# KiCad board coils_12_35_10_2_layer.kicad_pcb (continued)
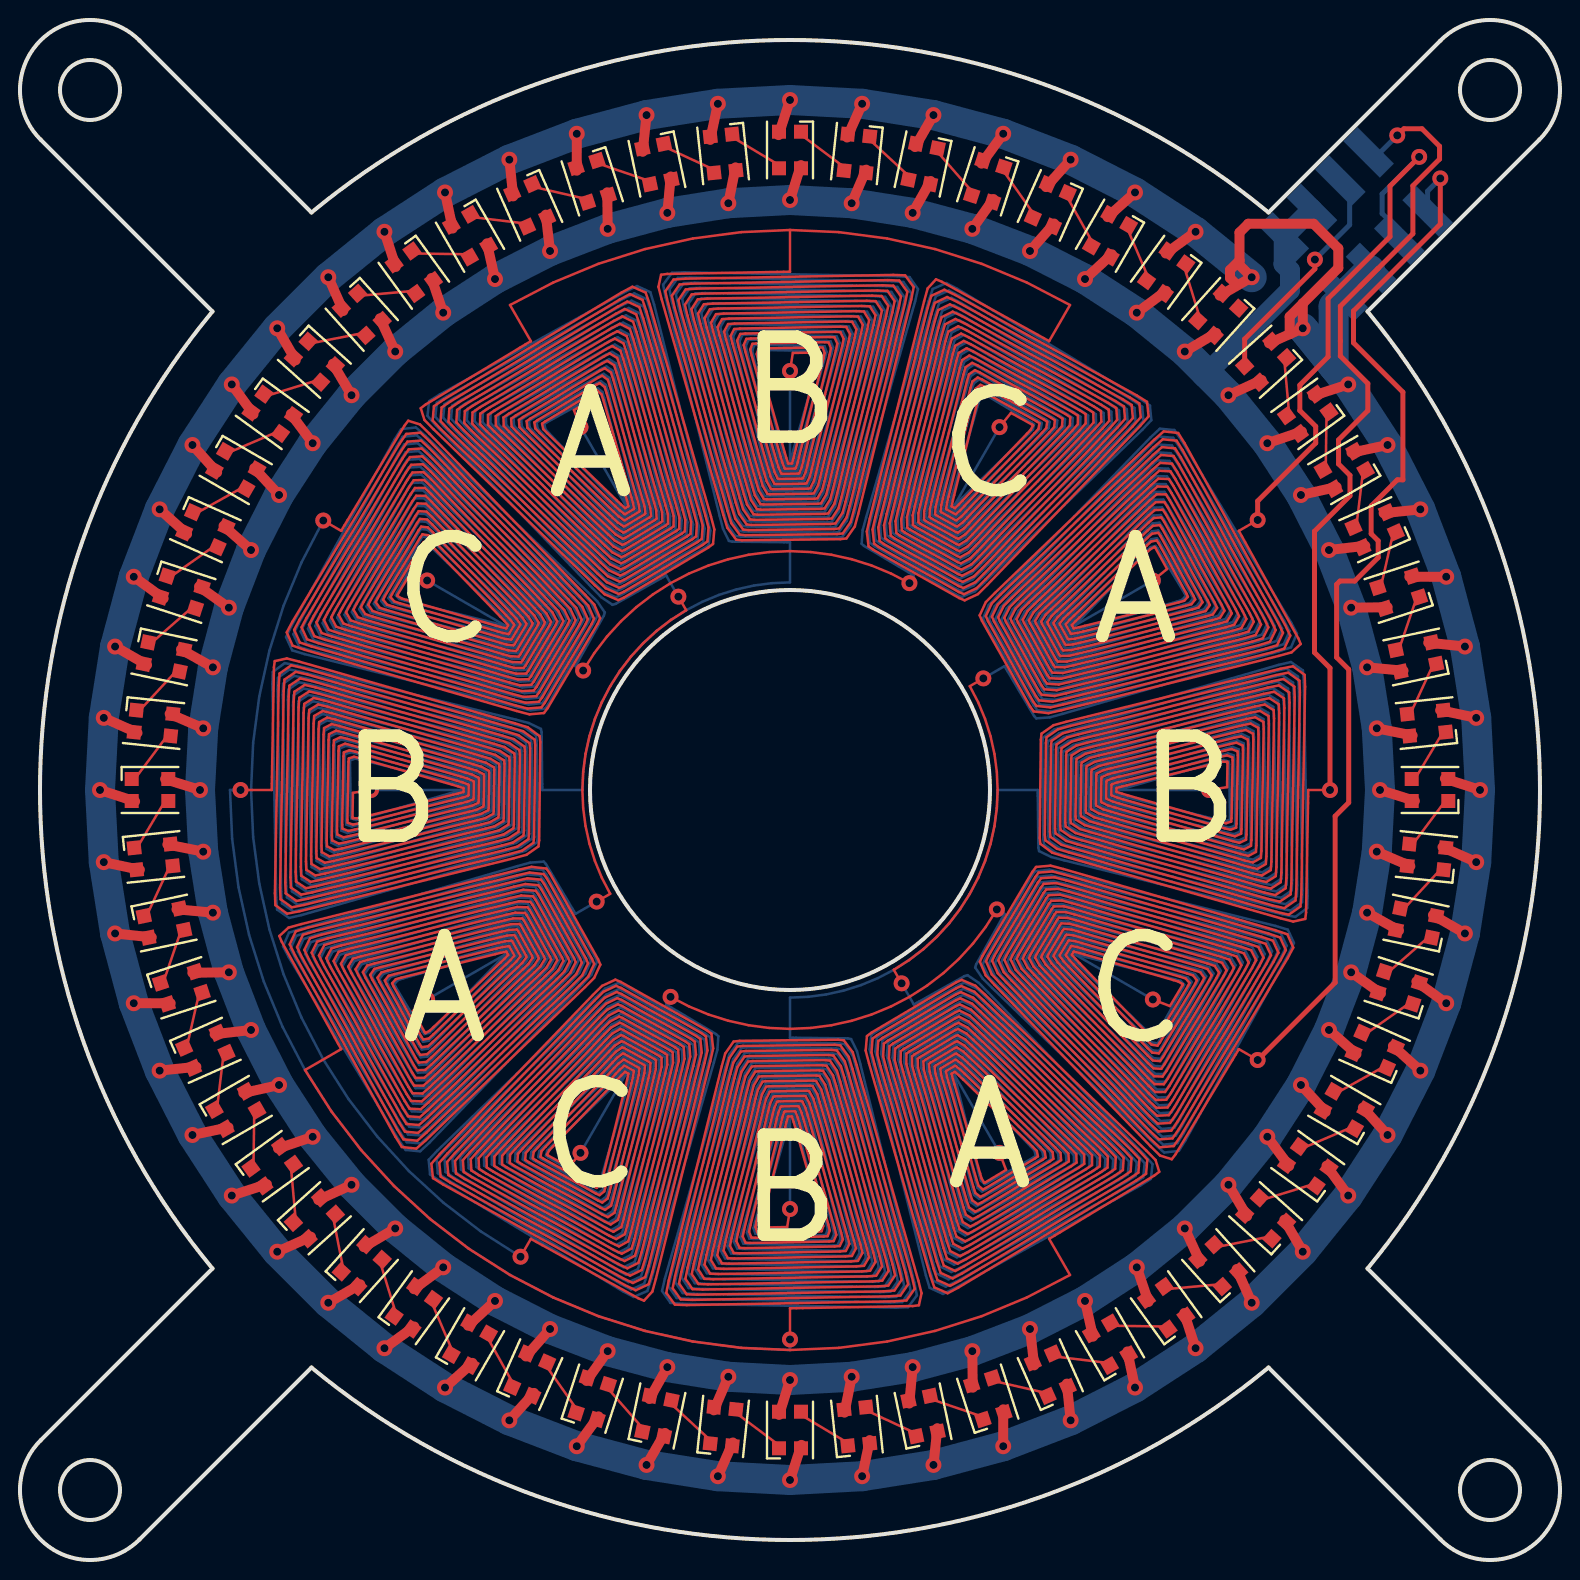
[diagram p0: board, top side]
## Routing (per net, layer and track width the routed paths; a pad name or vN(x,y) marks a point on that pad's centre or on a via; arc(x,y) is an arc through that point) (continued)
43.23,13.67 42.73,13.65 34.23,13.81 33.74,13.84 33.41,14.35 33.53,14.87 36.09,23.82 36.25,24.34 36.59,24.84 36.8,24.86 40.29,24.82 40.5,24.79 40.82,24.3 40.96,23.78 43.15,14.93 43.25,14.41 42.93,13.93 42.47,13.91 34.5,14.06 34.04,14.09 33.73,14.57 33.85,15.07 36.29,23.61 36.45,24.11 36.76,24.58 36.95,24.61 40.13,24.57 40.32,24.54 40.62,24.07 40.75,23.58 42.84,15.14 42.93,14.65 42.64,14.19 42.21,14.17 34.77,14.3 34.34,14.34 34.06,14.8 34.17,15.27 36.5,23.4 36.64,23.88 36.93,24.33 37.11,24.35 39.97,24.32 40.14,24.29 40.41,23.84 40.54,23.37 42.52,15.35 42.62,14.88 42.34,14.45 41.95,14.43 35.05,14.55 34.65,14.58 34.39,15.02 34.5,15.47 36.7,23.19 36.84,23.65 37.11,24.07 37.26,24.1 39.81,24.07 39.96,24.04 40.21,23.62 40.33,23.17 42.21,15.57 42.3,15.12 42.05,14.7 41.68,14.69 35.32,14.8 34.95,14.83 34.71,15.24 34.82,15.67 36.91,22.99 37.04,23.41 37.28,23.82 37.42,23.84 39.64,23.81 39.78,23.79 40,23.39 40.11,22.97 41.89,15.78 41.98,15.36 41.76,14.96 41.42,14.95 35.59,15.05 35.25,15.08 35.04,15.47 35.14,15.87 37.11,22.78 37.23,23.18 37.45,23.56 37.57,23.58 39.48,23.56 39.6,23.54 39.8,23.16 39.9,22.77 41.58,15.99 41.66,15.59 41.46,15.22 41.16,15.2 35.86,15.3 35.56,15.33 35.37,15.69 35.46,16.07 37.32,22.57 37.43,22.95 37.62,23.31 37.72,23.33 39.32,23.31 39.42,23.29 39.59,22.94 39.69,22.56 41.27,16.2 41.34,15.83 41.17,15.48 40.89,15.46 36.14,15.55 35.86,15.57 35.69,15.92 35.78,16.27 37.52,22.36 37.63,22.72 37.8,23.06 37.88,23.07 39.16,23.06 39.24,23.04 39.39,22.71 39.48,22.36 40.95,16.41 41.03,16.06 40.87,15.74 40.63,15.72 36.41,15.8 36.16,15.82 36.02,16.14 36.1,16.47 37.73,22.15 37.83,22.49 37.97,22.8 38.03,22.82 38.99,22.81 39.06,22.79 39.19,22.48 39.27,22.16 40.64,16.62 40.71,16.3 40.58,15.99 40.37,15.98 36.68,16.05 36.47,16.07 36.35,16.36 36.42,16.67 37.93,21.94 38.02,22.25 38.14,22.55 38.18,22.56 38.83,22.55 38.87,22.54 38.98,22.25 39.06,21.95 40.32,16.83 40.39,16.53 40.28,16.25 40.1,16.24 36.95,16.3 36.77,16.32 36.67,16.59 36.75,16.87 38.14,21.74 38.22,22.02 38.31,22.29 38.34,22.31 38.67,22.3 38.69,22.29 38.78,22.03 38.85,21.75 40.01,17.04 40.07,16.77 39.99,16.51 39.84,16.5 37.22,16.55 37.07,16.56 37,16.81 37.07,17.07 38.34,21.53 38.42,21.79 38.49,22.04 38.49,22.05 38.5,22.05 v1(38.5,17.55) ; v1(48.17,44.08) 49.23,44.69 50.7,42.2 50.81,42.08 51.49,42.13 52.13,42.31 62.94,45.43 63.55,45.64 63.85,46.32 63.56,46.86 58.07,55.99 57.72,56.5 56.99,56.56 56.53,56.13 48.88,48.22 48.44,47.74 48.15,47.08 48.27,46.81 50.69,42.72 50.87,42.49 51.58,42.43 52.2,42.59 62.6,45.59 63.19,45.8 63.48,46.44 63.2,46.96 57.99,55.63 57.66,56.11 56.96,56.17 56.51,55.75 49.16,48.15 48.74,47.69 48.45,47.05 48.56,46.81 50.83,42.99 50.99,42.77 51.67,42.72 52.27,42.88 62.26,45.76 62.83,45.95 63.11,46.57 62.85,47.06 57.91,55.27 57.6,55.72 56.93,55.78 56.5,55.37 49.44,48.07 49.04,47.63 48.76,47.03 48.86,46.8 50.97,43.25 51.12,43.05 51.77,43.01 52.34,43.16 61.92,45.93 62.46,46.11 62.74,46.7 62.49,47.16 57.83,54.91 57.53,55.34 56.9,55.38 56.49,54.99 49.73,48 49.34,47.58 49.07,47.01 49.16,46.8 51.1,43.52 51.25,43.34 51.86,43.3 52.41,43.45 61.58,46.09 62.1,46.27 62.37,46.82 62.14,47.26 57.75,54.55 57.47,54.95 56.87,54.99 56.48,54.62 50.01,47.93 49.64,47.53 49.37,46.99 49.46,46.79 51.24,43.79 51.37,43.62 51.96,43.59 52.48,43.73 61.24,46.26 61.74,46.43 61.99,46.95 61.78,47.36 57.67,54.18 57.41,54.57 56.84,54.59 56.46,54.24 50.29,47.85 49.93,47.47 49.68,46.97 49.76,46.79 51.38,44.05 51.5,43.9 52.05,43.88 52.55,44.01 60.9,46.42 61.37,46.58 61.62,47.07 61.42,47.45 57.59,53.82 57.35,54.18 56.81,54.2 56.45,53.86 50.57,47.78 50.23,47.42 49.99,46.94 50.06,46.78 51.52,44.32 51.63,44.18 52.15,44.17 52.62,44.3 60.56,46.59 61.01,46.74 61.25,47.2 61.07,47.55 57.51,53.46 57.29,53.79 56.78,53.8 56.44,53.48 50.86,47.71 50.53,47.36 50.3,46.92 50.35,46.77 51.65,44.59 51.75,44.46 52.24,44.46 52.69,44.58 60.22,46.76 60.65,46.9 60.88,47.32 60.71,47.65 57.43,53.1 57.22,53.41 56.75,53.41 56.43,53.1 51.14,47.64 50.83,47.31 50.6,46.9 50.65,46.77 51.79,44.85 51.88,44.75 52.34,44.75 52.76,44.87 59.88,46.92 60.28,47.06 60.51,47.45 60.36,47.75 57.35,52.74 57.16,53.02 56.72,53.01 56.41,52.72 51.42,47.56 51.13,47.25 50.91,46.88 50.95,46.76 51.93,45.12 52,45.03 52.43,45.04 52.83,45.15 59.54,47.09 59.92,47.22 60.14,47.58 60,47.85 57.27,52.38 57.1,52.63 56.69,52.62 56.4,52.35 51.71,47.49 51.43,47.2 51.22,46.85 51.25,46.76 52.06,45.39 52.13,45.31 52.53,45.33 52.9,45.44 59.2,47.25 59.56,47.37 59.77,47.7 59.65,47.95 57.19,52.02 57.04,52.25 56.65,52.22 56.39,51.97 51.99,47.42 51.73,47.15 51.52,46.83 51.55,46.75 52.2,45.65 52.26,45.59 52.62,45.63 52.97,45.72 58.86,47.42 59.19,47.53 59.4,47.83 59.29,48.04 57.11,51.66 56.97,51.86 56.62,51.83 56.38,51.59 52.27,47.34 52.03,47.09 51.83,46.81 51.85,46.75 52.34,45.92 52.38,45.87 52.72,45.92 53.04,46.01 58.52,47.59 58.83,47.69 59.03,47.95 58.94,48.14 57.03,51.3 56.91,51.48 56.59,51.43 56.36,51.21 52.55,47.27 52.33,47.04 52.14,46.79 52.15,46.74 52.48,46.18 52.51,46.16 52.81,46.21 53.11,46.29 58.18,47.75 58.47,47.85 58.66,48.08 58.58,48.24 56.95,50.94 56.85,51.09 56.56,51.04 56.35,50.83 52.84,47.2 52.63,46.98 52.44,46.77 52.44,46.74 52.61,46.45 52.64,46.44 52.91,46.5 53.18,46.58 57.84,47.92 58.1,48.01 58.29,48.2 58.22,48.34 56.87,50.58 56.79,50.7 56.53,50.64 56.34,50.45 53.12,47.12 52.93,46.93 52.75,46.74 52.74,46.73 52.75,46.73 v1(56.64,48.98) ; v1(44.08,28.83) 44.69,27.77 47.22,29.19 47.37,29.24 47.93,28.86 48.4,28.39 56.2,20.28 56.63,19.79 56.54,19.06 56.02,18.73 46.7,13.57 46.15,13.3 45.48,13.61 45.3,14.22 42.63,24.89 42.48,25.53 42.57,26.25 42.8,26.42 46.95,28.75 47.22,28.86 47.86,28.56 48.32,28.11 55.82,20.31 56.23,19.84 56.16,19.13 55.66,18.82 46.81,13.92 46.29,13.67 45.65,13.97 45.48,14.55 42.91,24.82 42.77,25.42 42.84,26.12 43.06,26.27 46.93,28.45 47.18,28.55 47.8,28.26 48.23,27.83 55.44,20.34 55.84,19.88 55.78,19.21 55.31,18.91 46.93,14.28 46.43,14.03 45.82,14.32 45.65,14.89 43.19,24.74 43.06,25.32 43.12,25.98 43.32,26.13 46.92,28.15 47.15,28.25 47.74,27.96 48.15,27.55 55.07,20.36 55.45,19.93 55.39,19.28 54.95,19.01 47.04,14.63 46.57,14.4 45.99,14.68 45.83,15.22 43.47,24.66 43.34,25.22 43.4,25.85 43.58,25.99 46.91,27.85 47.12,27.94 47.67,27.66 48.07,27.26 54.69,20.39 55.05,19.97 55.01,19.36 54.59,19.1 47.15,14.98 46.7,14.77 46.17,15.04 46.01,15.56 43.75,24.58 43.63,25.12 43.67,25.71 43.85,25.84 46.89,27.55 47.09,27.63 47.61,27.36 47.99,26.98 54.31,20.41 54.66,20.02 54.62,19.44 54.23,19.19 47.26,15.33 46.84,15.13 46.34,15.4 46.19,15.89 44.03,24.5 43.92,25.01 43.95,25.58 44.11,25.7 46.88,27.25 47.06,27.32 47.55,27.06 47.91,26.7 53.93,20.44 54.27,20.06 54.24,19.51 53.88,19.28 47.37,15.68 46.98,15.5 46.51,15.75 46.37,16.22 44.32,24.42 44.2,24.91 44.23,25.44 44.37,25.55 46.86,26.95 47.03,27.02 47.48,26.76 47.83,26.42 53.56,20.47 53.87,20.11 53.86,19.59 53.52,19.38 47.48,16.03 47.12,15.86 46.68,16.11 46.55,16.56 44.6,24.35 44.49,24.81 44.51,25.31 44.63,25.41 46.85,26.65 46.99,26.71 47.42,26.46 47.75,26.14 53.18,20.49 53.48,20.15 53.47,19.67 53.16,19.47 47.59,16.39 47.26,16.23 46.85,16.47 46.72,16.89 44.88,24.27 44.78,24.7 44.78,25.18 44.89,25.26 46.83,26.35 46.96,26.4 47.36,26.17 47.66,25.86 52.8,20.52 53.09,20.2 53.09,19.74 52.8,19.56 47.7,16.74 47.4,16.59 47.02,16.82 46.9,17.22 45.16,24.19 45.06,24.6 45.06,25.04 45.15,25.12 46.82,26.05 46.93,26.09 47.29,25.87 47.58,25.57 52.42,20.54 52.69,20.24 52.7,19.82 52.45,19.65 47.82,17.09 47.54,16.96 47.19,17.18 47.08,17.56 45.44,24.11 45.35,24.5 45.34,24.91 45.41,24.97 46.8,25.76 46.9,25.79 47.23,25.57 47.5,25.29 52.05,20.57 52.3,20.29 52.32,19.9 52.09,19.75 47.93,17.44 47.68,17.33 47.36,17.54 47.26,17.89 45.72,24.03 45.64,24.4 45.61,24.77 45.67,24.83 46.79,25.46 46.87,25.48 47.17,25.27 47.42,25.01 51.67,20.6 51.91,20.33 51.94,19.97 51.73,19.84 48.04,17.79 47.82,17.69 47.53,17.9 47.44,18.23 46,23.96 45.92,24.29 45.89,24.64 45.93,24.68 46.78,25.16 46.84,25.17 47.1,24.97 47.34,24.73 51.29,20.62 51.51,20.38 51.55,20.05 51.38,19.93 48.15,18.15 47.96,18.06 47.7,18.25 47.62,18.56 46.29,23.88 46.21,24.19 46.17,24.5 46.2,24.54 46.76,24.86 46.81,24.86 47.04,24.67 47.26,24.45 50.91,20.65 51.12,20.42 51.17,20.12 51.02,20.02 48.26,18.5 48.1,18.42 47.87,18.61 47.79,18.89 46.57,23.8 46.5,24.09 46.44,24.37 46.46,24.39 46.75,24.56 46.77,24.56 46.98,24.37 47.17,24.17 50.54,20.67 50.73,20.47 50.79,20.2 50.66,20.12 48.37,18.85 48.23,18.79 48.04,18.97 47.97,19.23 46.85,23.72 46.78,23.99 46.72,24.24 46.72,24.25 46.72,24.25 v1(48.98,20.36) ; v1(20.36,48.98) 24.25,46.72 24.25,46.72 24.24,46.72 23.99,46.78 23.72,46.85 19.23,47.97 18.97,48.04 18.79,48.23 18.85,48.37 20.12,50.66 20.2,50.79 20.47,50.73 20.67,50.54 24.17,47.17 24.37,46.98 24.56,46.77 24.56,46.75 24.39,46.46 24.37,46.44 24.09,46.5 23.8,46.57 18.89,47.79 18.61,47.87 18.42,48.1 18.5,48.26 20.02,51.02 20.12,51.17 20.42,51.12 20.65,50.91 24.45,47.26 24.67,47.04 24.86,46.81 24.86,46.76 24.54,46.2 24.5,46.17 24.19,46.21 23.88,46.29 18.56,47.62 18.25,47.7 18.06,47.96 18.15,48.15 19.93,51.38 20.05,51.55 20.38,51.51 20.62,51.29 24.73,47.34 24.97,47.1 25.17,46.84 25.16,46.78 24.68,45.93 24.64,45.89 24.29,45.92 23.96,46 18.23,47.44 17.9,47.53 17.69,47.82 17.79,48.04 19.84,51.73 19.97,51.94 20.33,51.91 20.6,51.67 25.01,47.42 25.27,47.17 25.48,46.87 25.46,46.79 24.83,45.67 24.77,45.61 24.4,45.64 24.03,45.72 17.89,47.26 17.54,47.36 17.33,47.68 17.44,47.93 19.75,52.09 19.9,52.32 20.29,52.3 20.57,52.05 25.29,47.5 25.57,47.23 25.79,46.9 25.76,46.8 24.97,45.41 24.91,45.34 24.5,45.35 24.11,45.44 17.56,47.08 17.18,47.19 16.96,47.54 17.09,47.82 19.65,52.45 19.82,52.7 20.24,52.69 20.54,52.42 25.57,47.58 25.87,47.29 26.09,46.93 26.05,46.82 25.12,45.15 25.04,45.06 24.6,45.06 24.19,45.16 17.22,46.9 16.82,47.02 16.59,47.4 16.74,47.7 19.56,52.8 19.74,53.09 20.2,53.09 20.52,52.8 25.86,47.66 26.17,47.36 26.4,46.96 26.35,46.83 25.26,44.89 25.18,44.78 24.7,44.78 24.27,44.88 16.89,46.72 16.47,46.85 16.23,47.26 16.39,47.59 19.47,53.16 19.67,53.47 20.15,53.48 20.49,53.18 26.14,47.75 26.46,47.42 26.71,46.99 26.65,46.85 25.41,44.63 25.31,44.51 24.81,44.49 24.35,44.6 16.56,46.55 16.11,46.68 15.86,47.12 16.03,47.48 19.38,53.52 19.59,53.86 20.11,53.87 20.47,53.56 26.42,47.83 26.76,47.48 27.02,47.03 26.95,46.86 25.55,44.37 25.44,44.23 24.91,44.2 24.42,44.32 16.22,46.37 15.75,46.51 15.5,46.98 15.68,47.37 19.28,53.88 19.51,54.24 20.06,54.27 20.44,53.93 26.7,47.91 27.06,47.55 27.32,47.06 27.25,46.88 25.7,44.11 25.58,43.95 25.01,43.92 24.5,44.03 15.89,46.19 15.4,46.34 15.13,46.84 15.33,47.26 19.19,54.23 19.44,54.62 20.02,54.66 20.41,54.31 26.98,47.99 27.36,47.61 27.63,47.09 27.55,46.89 25.84,43.85 25.71,43.67 25.12,43.63 24.58,43.75 15.56,46.01 15.04,46.17 14.77,46.7 14.98,47.15 19.1,54.59 19.36,55.01 19.97,55.05 20.39,54.69 27.26,48.07 27.66,47.67 27.94,47.12 27.85,46.91 25.99,43.58 25.85,43.4 25.22,43.34 24.66,43.47 15.22,45.83 14.68,45.99 14.4,46.57 14.63,47.04 19.01,54.95 19.28,55.39 19.93,55.45 20.36,55.07 27.55,48.15 27.96,47.74 28.25,47.15 28.15,46.92 26.13,43.32 25.98,43.12 25.32,43.06 24.74,43.19 14.89,45.65 14.32,45.82 14.03,46.43 14.28,46.93 18.91,55.31 19.21,55.78 19.88,55.84 20.34,55.44 27.83,48.23 28.26,47.8 28.55,47.18 28.45,46.93 26.27,43.06 26.12,42.84 25.42,42.77 24.82,42.91 14.55,45.48 13.97,45.65 13.67,46.29 13.92,46.81 18.82,55.66 19.13,56.16 19.84,56.23 20.31,55.82 28.11,48.32 28.56,47.86 28.86,47.22 28.75,46.95 26.42,42.8 26.25,42.57 25.53,42.48 24.89,42.63 14.22,45.3 13.61,45.48 13.3,46.15 13.57,46.7 18.73,56.02 19.06,56.54 19.79,56.63 20.28,56.2 28.39,48.4 28.86,47.93 29.24,47.37 29.19,47.22 27.77,44.69 v1(28.16,44.47) ; v1(17.55,38.5) 22.05,38.5 22.05,38.49 22.04,38.49 21.79,38.42 21.53,38.34 17.07,37.07 16.81,37 16.56,37.07 16.55,37.22 16.5,39.84 16.51,39.99 16.77,40.07 17.04,40.01 21.75,38.85 22.03,38.78 22.29,38.69 22.3,38.67 22.31,38.34 22.29,38.31 22.02,38.22 21.74,38.14 16.87,36.75 16.59,36.67 16.32,36.77 16.3,36.95 16.24,40.1 16.25,40.28 16.53,40.39 16.83,40.32 21.95,39.06 22.25,38.98 22.54,38.87 22.55,38.83 22.56,38.18 22.55,38.14 22.25,38.02 21.94,37.93 16.67,36.42 16.36,36.35 16.07,36.47 16.05,36.68 15.98,40.37 15.99,40.58 16.3,40.71 16.62,40.64 22.16,39.27 22.48,39.19 22.79,39.06 22.81,38.99 22.82,38.03 22.8,37.97 22.49,37.83 22.15,37.73 16.47,36.1 16.14,36.02 15.82,36.16 15.8,36.41 15.72,40.63 15.74,40.87 16.06,41.03 16.41,40.95 22.36,39.48 22.71,39.39 23.04,39.24 23.06,39.16 23.07,37.88 23.06,37.8 22.72,37.63 22.36,37.52 16.27,35.78 15.92,35.69 15.57,35.86 15.55,36.14 15.46,40.89 15.48,41.17 15.83,41.34 16.2,41.27 22.56,39.69 22.94,39.59 23.29,39.42 23.31,39.32 23.33,37.72 23.31,37.62 22.95,37.43 22.57,37.32 16.07,35.46 15.69,35.37 15.33,35.56 15.3,35.86 15.2,41.16 15.22,41.46 15.59,41.66 15.99,41.58 22.77,39.9 23.16,39.8 23.54,39.6 23.56,39.48 23.58,37.57 23.56,37.45 23.18,37.23 22.78,37.11 15.87,35.14 15.47,35.04 15.08,35.25 15.05,35.59 14.95,41.42 14.96,41.76 15.36,41.98 15.78,41.89 22.97,40.11 23.39,40 23.79,39.78 23.81,39.64 23.84,37.42 23.82,37.28 23.41,37.04 22.99,36.91 15.67,34.82 15.24,34.71 14.83,34.95 14.8,35.32 14.69,41.68 14.7,42.05 15.12,42.3 15.57,42.21 23.17,40.33 23.62,40.21 24.04,39.96 24.07,39.81 24.1,37.26 24.07,37.11 23.65,36.84 23.19,36.7 15.47,34.5 15.02,34.39 14.58,34.65 14.55,35.05 14.43,41.95 14.45,42.34 14.88,42.62 15.35,42.52 23.37,40.54 23.84,40.41 24.29,40.14 24.32,39.97 24.35,37.11 24.33,36.93 23.88,36.64 23.4,36.5 15.27,34.17 14.8,34.06 14.34,34.34 14.3,34.77 14.17,42.21 14.19,42.64 14.65,42.93 15.14,42.84 23.58,40.75 24.07,40.62 24.54,40.32 24.57,40.13 24.61,36.95 24.58,36.76 24.11,36.45 23.61,36.29 15.07,33.85 14.57,33.73 14.09,34.04 14.06,34.5 13.91,42.47 13.93,42.93 14.41,43.25 14.93,43.15 23.78,40.96 24.3,40.82 24.79,40.5 24.82,40.29 24.86,36.8 24.84,36.59 24.34,36.25 23.82,36.09 14.87,33.53 14.35,33.41 13.84,33.74 13.81,34.23 13.65,42.73 13.67,43.23 14.18,43.57 14.72,43.46 23.98,41.17 24.53,41.02 25.04,40.69 25.08,40.46 25.12,36.65 25.09,36.41 24.58,36.05 24.03,35.89 14.67,33.21 14.12,33.08 13.6,33.44 13.56,33.96 13.39,43 13.41,43.52 13.94,43.89 14.51,43.78 24.19,41.38 24.75,41.23 25.29,40.87 25.33,40.62 25.38,36.49 25.35,36.24 24.81,35.86 24.24,35.68 14.47,32.89 13.9,32.75 13.35,33.13 13.31,33.68 13.13,43.26 13.16,43.81 13.71,44.21 14.3,44.09 24.39,41.59 24.98,41.43 25.55,41.05 25.58,40.78 25.63,36.34 25.6,36.07 25.04,35.66 24.44,35.48 14.27,32.57 13.68,32.43 13.1,32.83 13.06,33.41 12.88,43.52 12.9,44.11 13.47,44.53 14.09,44.41 24.59,41.8 25.21,41.64 25.8,41.23 25.83,40.94 25.89,36.18 25.86,35.9 25.27,35.46 24.65,35.27 14.07,32.25 13.45,32.1 12.85,32.53 12.81,33.14 12.62,43.79 12.64,44.4 13.24,44.84 13.88,44.72 24.8,42.02 25.44,41.85 26.05,41.56 26.08,41.4 26.11,38.5 28.12,38.5 28.16,39.4 28.28,40.3 28.47,41.19 28.75,42.05 29.09,42.89 29.51,43.69 30,44.45 30.55,45.17 31.16,45.84 31.83,46.45 32.55,47 33.31,47.49 34.11,47.91 34.95,48.25 35.81,48.53 36.7,48.72 37.6,48.84 38.5,48.88 38.5,50.89 35.6,50.92 35.44,50.95 35.15,51.56 34.98,52.2 32.28,63.12 32.16,63.76 32.6,64.36 33.21,64.38 43.86,64.19 44.47,64.15 44.9,63.55 44.75,62.93 41.73,52.35 41.54,51.73 41.1,51.14 40.82,51.11 36.06,51.17 35.77,51.2 35.36,51.79 35.2,52.41 32.59,62.91 32.47,63.53 32.89,64.1 33.48,64.12 43.59,63.94 44.17,63.9 44.57,63.32 44.43,62.73 41.52,52.56 41.34,51.96 40.93,51.4 40.66,51.37 36.22,51.42 35.95,51.45 35.57,52.02 35.41,52.61 32.91,62.7 32.79,63.29 33.19,63.84 33.74,63.87 43.32,63.69 43.87,63.65 44.25,63.1 44.11,62.53 41.32,52.76 41.14,52.19 40.76,51.65 40.51,51.62 36.38,51.67 36.13,51.71 35.77,52.25 35.62,52.81 33.22,62.49 33.11,63.06 33.48,63.59 34,63.61 43.04,63.44 43.56,63.4 43.92,62.88 43.79,62.33 41.11,52.97 40.95,52.42 40.59,51.91 40.35,51.88 36.54,51.92 36.31,51.96 35.98,52.47 35.83,53.02 33.54,62.28 33.43,62.82 33.77,63.33 34.27,63.35 42.77,63.19 43.26,63.16 43.59,62.65 43.47,62.13 40.91,53.18 40.75,52.66 40.41,52.16 40.2,52.14 36.71,52.18 36.5,52.21 36.18,52.7 36.04,53.22 33.85,62.07 33.75,62.59 34.07,63.07 34.53,63.09 42.5,62.94 42.96,62.91 43.27,62.43 43.15,61.93 40.71,53.39 40.55,52.89 40.24,52.42 40.05,52.39 36.87,52.43 36.68,52.46 36.38,52.93 36.25,53.42 34.16,61.86 34.07,62.35 34.36,62.81 34.79,62.83 42.23,62.7 42.66,62.66 42.94,62.2 42.83,61.73 40.5,53.6 40.36,53.12 40.07,52.67 39.89,52.65 37.03,52.68 36.86,52.71 36.59,53.16 36.46,53.63 34.48,61.65 34.38,62.12 34.66,62.55 35.05,62.57 41.95,62.45 42.35,62.42 42.61,61.98 42.5,61.53 40.3,53.81 40.16,53.35 39.89,52.93 39.74,52.9 37.19,52.93 37.04,52.96 36.79,53.38 36.67,53.83 34.79,61.43 34.7,61.88 34.95,62.3 35.32,62.31 41.68,62.2 42.05,62.17 42.29,61.76 42.18,61.33 40.09,54.01 39.96,53.59 39.72,53.18 39.58,53.16 37.36,53.19 37.22,53.21 37,53.61 36.89,54.03 35.11,61.22 35.02,61.64 35.24,62.04 35.58,62.05 41.41,61.95 41.75,61.92 41.96,61.53 41.86,61.13 39.89,54.22 39.77,53.82 39.55,53.44 39.43,53.42 37.52,53.44 37.4,53.46 37.2,53.84 37.1,54.23 35.42,61.01 35.34,61.41 35.54,61.78 35.84,61.8 41.14,61.7 41.44,61.67 41.63,61.31 41.54,60.93 39.68,54.43 39.57,54.05 39.38,53.69 39.28,53.67 37.68,53.69 37.58,53.71 37.41,54.06 37.31,54.44 35.73,60.8 35.66,61.17 35.83,61.52 36.11,61.54 40.86,61.45 41.14,61.43 41.31,61.08 41.22,60.73 39.48,54.64 39.37,54.28 39.2,53.94 39.12,53.93 37.84,53.94 37.76,53.96 37.61,54.29 37.52,54.64 36.05,60.59 35.97,60.94 36.13,61.26 36.37,61.28 40.59,61.2 40.84,61.18 40.98,60.86 40.9,60.53 39.27,54.85 39.17,54.51 39.03,54.2 38.97,54.18 38.01,54.19 37.94,54.21 37.81,54.52 37.73,54.84 36.36,60.38 36.29,60.7 36.42,61.01 36.63,61.02 40.32,60.95 40.53,60.93 40.65,60.64 40.58,60.33 39.07,55.06 38.98,54.75 38.86,54.45 38.82,54.44 38.17,54.45 38.13,54.46 38.02,54.75 37.94,55.05 36.68,60.17 36.61,60.47 36.72,60.75 36.9,60.76 40.05,60.7 40.23,60.68 40.33,60.41 40.25,60.13 38.86,55.26 38.78,54.98 38.69,54.71 38.66,54.69 38.33,54.7 38.31,54.71 38.22,54.97 38.15,55.25 36.99,59.96 36.93,60.23 37.01,60.49 37.16,60.5 39.78,60.45 39.93,60.44 40,60.19 39.93,59.93 38.66,55.47 38.58,55.21 38.51,54.96 38.51,54.95 38.5,54.95 v1(38.5,59.45)